# Altium PCB CPU.PcbDoc
Units mm, origin at the board's own origin, x right, y up, seen from the top; angles counter-clockwise.
Board outline 80 x 80 mm, 2 copper layers (Top Layer, Bottom Layer); 41 components, 69 nets, 198 pads, 97 vias.
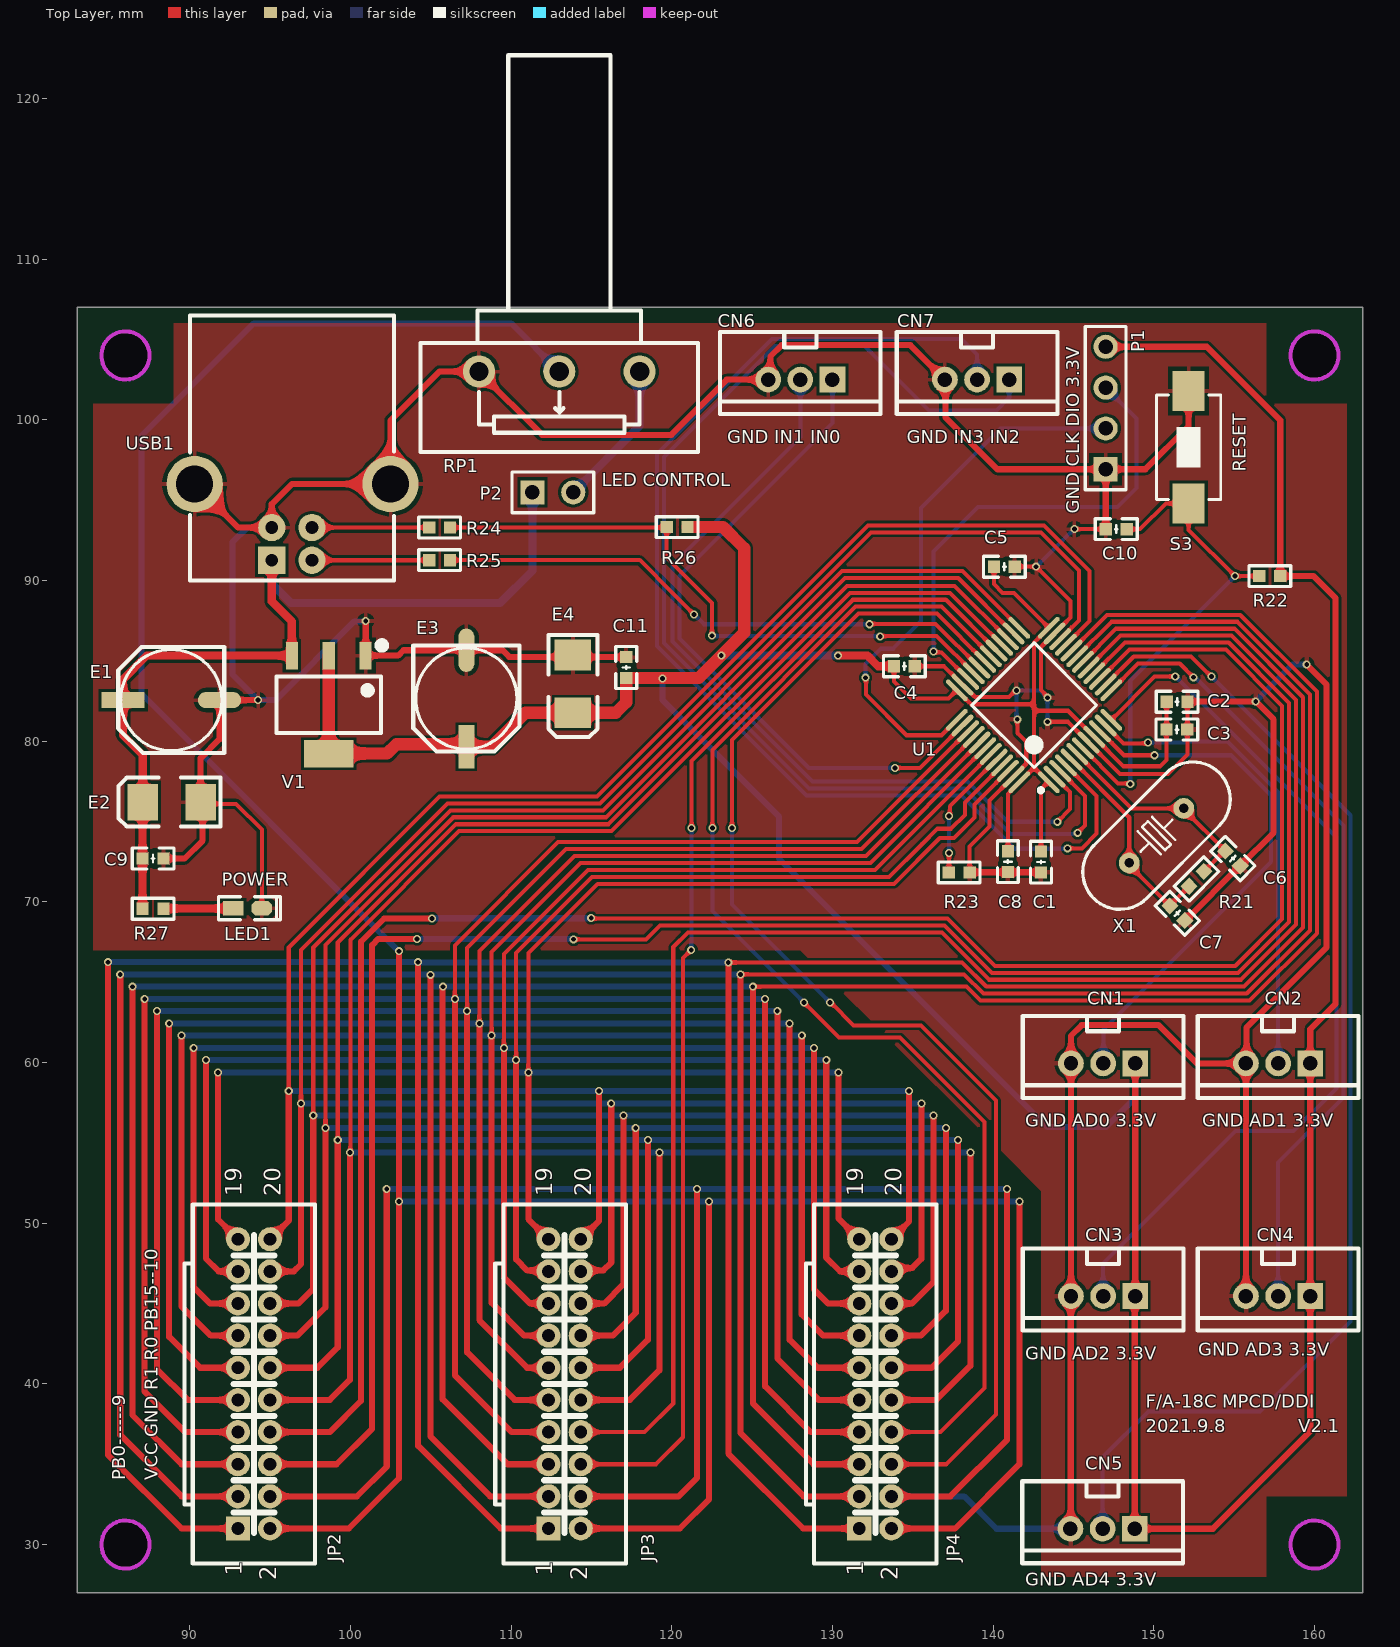
[diagram p0: Top Layer view]
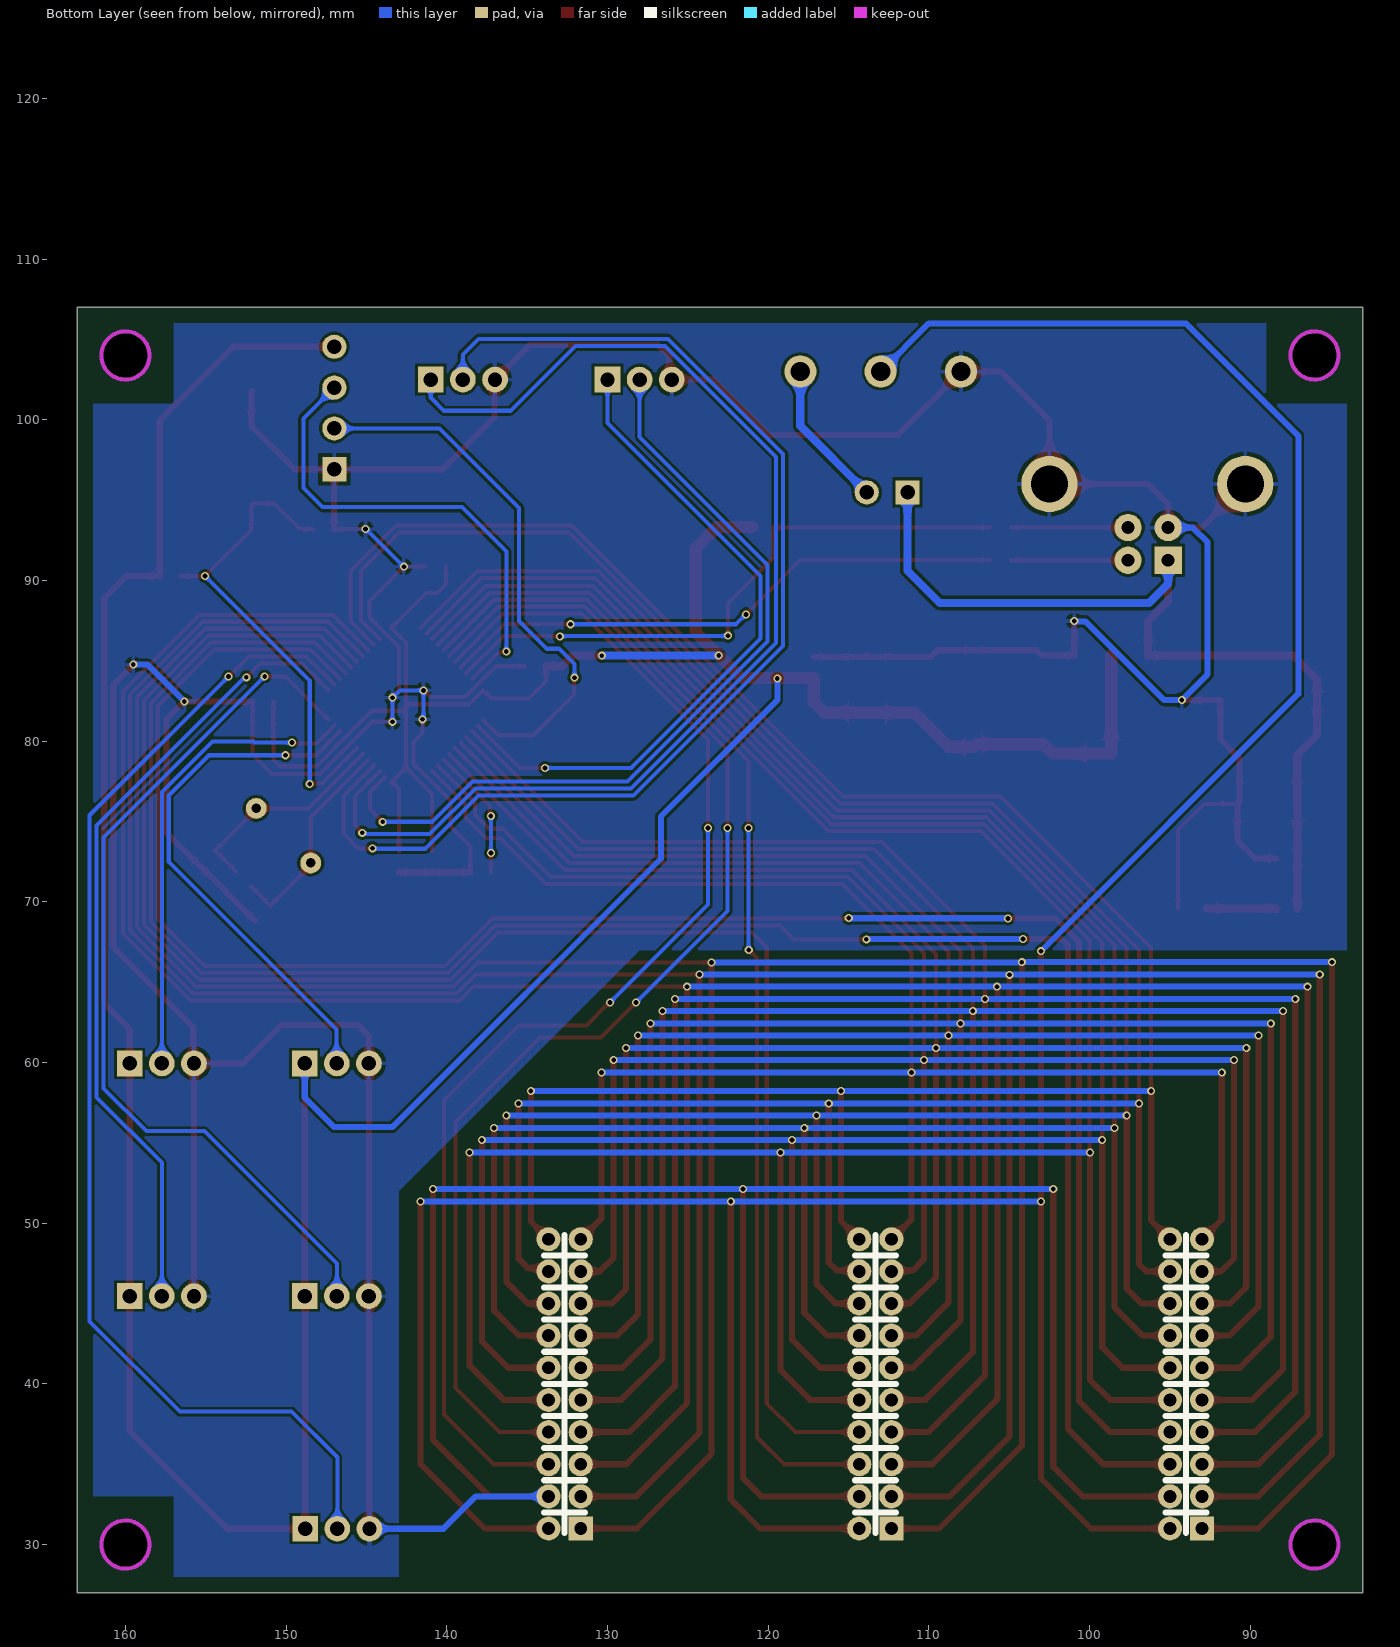
[diagram p1: Bottom Layer view, seen from below]
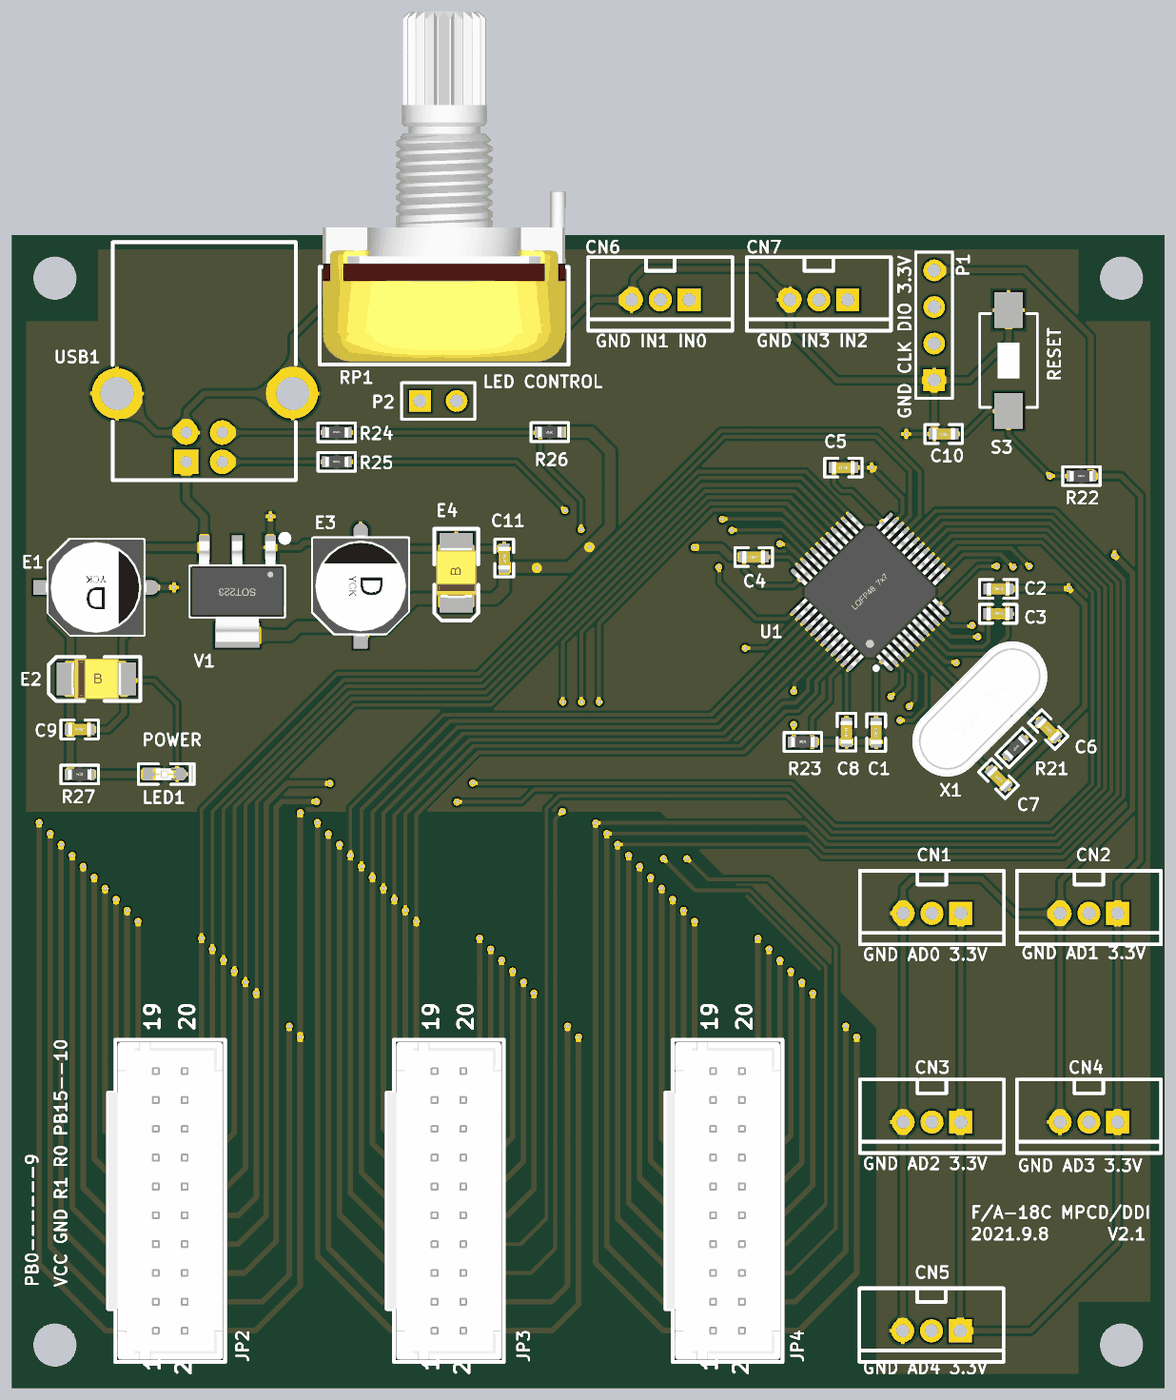
[diagram p2: 3D render of the assembled board from above, using the file's embedded part models]

## Layer stack, top to bottom
Top Solder: solder mask 0.0102, Solder Resist, Dk 3.5
Top Layer: signal copper 0.0356
Dielectric 1: dielectric 0.32, FR-4, Dk 4.8
Bottom Layer: signal copper 0.0356
Bottom Solder: solder mask 0.0102, Solder Resist, Dk 3.5

## Board outline
83,27 163,27 163,107 83,107
cut-out: 158.5,104 ccw(c160,104) 160,102.5 ccw(c160,104) 161.5,104 ccw(c160,104) 160,105.5 ccw(c160,104)
cut-out: 158.5,30 ccw(c160,30) 160,28.5 ccw(c160,30) 161.5,30 ccw(c160,30) 160,31.5 ccw(c160,30)
cut-out: 86,102.5 cw(c86,104) 84.5,104 cw(c86,104) 86,105.5 cw(c86,104) 87.5,104 cw(c86,104)
cut-out: 84.5,30 ccw(c86,30) 86,28.5 ccw(c86,30) 87.5,30 ccw(c86,30) 86,31.5 ccw(c86,30)

## Design rules (kind name [scope] priority, off if disabled: settings)
Clearance [All] p1: gap=0.178 ignorepadtopadclearanceinfootprint=FALSE
HoleToHoleClearance [All] p1: gap=0 allowstackedmicrovias=TRUE
MinimumSolderMaskSliver [All] p1: minsoldermaskwidth=0
PolygonConnect [All] p1: connectstyle=Relief reliefconductorwidth=0.254 reliefentries=4 polygonreliefangle="90 Angle" airgapwidth=0.254
RoutingVias [All] p1: holewidth=0.3 width=0.5 viastyle="Through Hole" minholewidth=0.3 minwidth=0.5 maxholewidth=1 maxwidth=2
SilkToSilkClearance [All] p1: silktosilkclearance=0
SilkToSolderMaskClearance [IsPad] p1: minsilkscreentomaskgap=0 clearancetoexposedcopper=TRUE
SolderMaskExpansion [All] p1: expansion=0.102 istentingtop=FALSE
UnRoutedNet [All] p1: checkbadconnections=TRUE
Width [All] p1: maxlimit=2.54 minlimit=0.178 preferedwidth=0.254
25 further rules are at their usual default settings.

## Components (designator, comment, footprint, x,y, rotation, side; value= is the part's Value field where it differs from the comment)
C1 "104" "C 0603_L" 142.977,72.477 r90 top
C2 "104" "C 0603_L" 151.45,82.448 r0 top
C3 "10uF" "C 0603_L" 151.435,80.721 r0 top
C4 "104" "C 0603_L" 134.478,84.658 r180 top
C5 "104" "C 0603_L" 140.701,90.856 r180 top
C6 "22" "C 0603_L" 154.917,72.692 r315 top
C7 "22" "C 0603_L" 151.463,69.289 r315 top
C8 "104" "C 0603_L" 140.919,72.502 r90 top
C9 "104" "C 0603_L" 87.717,72.695 r180 top
C10 "104" "C 0603_L" 147.66,93.193 r180 top
C11 "104" "C 0603_L" 117.17,84.582 r270 top
CN1 "HX20020-3A" CONN-TH_3P-P2.00_HX20020-3A 146.844,59.944 r180 top
CN2 "HX20020-3A" CONN-TH_3P-P2.00_HX20020-3A 157.734,59.944 r180 top
CN3 "HX20020-3A" CONN-TH_3P-P2.00_HX20020-3A 146.844,45.466 r180 top
CN4 "HX20020-3A" CONN-TH_3P-P2.00_HX20020-3A 157.734,45.466 r180 top
CN5 "HX20020-3A" CONN-TH_3P-P2.00_HX20020-3A 146.812,30.988 r180 top
CN6 "HX20020-3A" CONN-TH_3P-P2.00_HX20020-3A 128,102.5 r180 top
CN7 "HX20020-3A" CONN-TH_3P-P2.00_HX20020-3A 139,102.5 r180 top
E1 "220uF/10V" "CM D(6.3*5.4)" 88.852,82.55 r180 top
E2 "10uF/6.3V" "CD B(3528)" 88.878,76.2 r0 top
E3 "220uF/10V" "CM D(6.3*5.4)" 107.213,82.652 r270 top
E4 "10uF/6.3V" "CD B(3528)" 113.843,83.563 r90 top
JP2 "Header 2X10" PHB2.0-LI-2x10P 94,40 r90 top
JP3 "Header 2X10" PHB2.0-LI-2x10P 113.333,40 r90 top
JP4 "Header 2X10" PHB2.0-LI-2x10P 132.667,40 r90 top
LED1 "红色" "LED 0603W" 93.599,69.589 r0 top
P1 "Header 4" HDR1X4 147,96.92 r90 top
P2 "Header 2" HDR1X2 111.328,95.479 r0 top
R21 "1M" "R 0603_L" 152.656,71.427 r225 top
R22 "10K" "R 0603_L" 157.216,90.272 r0 top
R23 "10K" "R 0603_L" 137.886,71.831 r0 top
R24 "22R" "R 0603_L" 105.552,93.294 r0 top
R25 "22R" "R 0603_L" 105.552,91.262 r0 top
R26 "1.5K" "R 0603_L" 120.33,93.32 r180 top
R27 "10K" "R 0603_L" 87.717,69.571 r0 top
RP1 "10K" WH148-1-G15 113,103 r180 top
S3 "SW-PB" SW_PB2_A1 152.164,98.346 r180 top
U1 "STM32F103C8T6" LQFP48_N 142.545,82.245 r135 top
USB1 "USB" USB-B/S_A 96.359,93.29 r180 top
V1 "AMS1117-3V3" SOT223_L 98.654,82.271 r180 top
X1 "8MHz" "OSC HC-49S" 150.165,74.117 r225 top

## Footprints (in the part's own frame and the unit in brackets; to place one, negate y for a bottom-side part, rotate by r counter-clockwise, add the part's x,y. Pads: shape width x height; smd on the part's side, far side on the other; paste and mask are expansions set on the pad)
"C 0603_L" [mil] "无极性贴片电容                                       淘宝ID:黄晶宝石"
  rect 30x30 smd: 1(-25.59,0) 2(25.59,0)
  silkscreen extent -51,-26 51,26, body extent -31,-16 31,16, height 32
"CD B(3528)" [mil] "长3.5mm，宽2.8mm，厚1.9mm      淘宝ID:黄晶宝石"
  rect 75x90 smd: 1(-70.87,-0.01) 2(70.86,-0.01)
  silkscreen extent -130,-60 120,60, body extent -69,-55 69,55, height 75
"CM D(6.3*5.4)" [mm] "贴片电解电容，直径6.3mm，高5.4mm           淘宝ID:黄晶宝石"
  rect 2.7x1 smd: 1(3,0)
  oval 2.7x1 smd: 2(-3,0)
  silkscreen extent -3.3,-3.3 3.3,3.3, body extent -3.5,-3.3 3.5,3.3, height 5.4
CONN-TH_3P-P2.00_HX20020-3A [mm]
  rect 1.6x1.6 hole 0.9: 1(-2,0)
  round 1.6 hole 0.9: 2(0,0) 3(2,0)
  silkscreen extent -5,-2.95 5,2.15
HDR1X2 [mm] "Connector; Header; 2 Position"
  rect 1.5x1.5 hole 0.9: 1(0,0)
  round 1.5 hole 0.9: 2(2.54,0)
  silkscreen extent -1.27,-1.27 3.81,1.27
HDR1X4 [mm] "Connector; Header; 4 Position"
  rect 1.5x1.5 hole 0.9: 1(0,0)
  round 1.5 hole 0.9: 2(2.54,0) 3(5.08,0) 4(7.62,0)
  silkscreen extent -1.27,-1.27 8.89,1.27
"LED 0603W" [mil] "白色0603LED                                        淘宝ID:黄晶宝石"
  rect 50x35 smd: 1(-35,0.26)
  oct 50x35 smd: 2(35,0.26)
  silkscreen extent -71,-28 81,28, body extent -31,-16 32,16, height 18
LQFP48_N [mm] "封装库来自淘宝 ID：黄晶宝石 Thin QFP, 48-Leads, Body 7x7mm, Pitch 0.5mm, IPC Medium Density"
  oval 1.8x0.3 smd: 1(-4.05,2.75) 2(-4.05,2.25) 3(-4.05,1.75) 4(-4.05,1.25) 5(-4.05,0.75) 6(-4.05,0.25) 7(-4.05,-0.25) 8(-4.05,-0.75) 9(-4.05,-1.25) 10(-4.05,-1.75) 11(-4.05,-2.25) 12(-4.05,-2.75) 25(4.05,-2.75) 26(4.05,-2.25) 27(4.05,-1.75) 28(4.05,-1.25) 29(4.05,-0.75) 30(4.05,-0.25) 31(4.05,0.25) 32(4.05,0.75) 33(4.05,1.25) 34(4.05,1.75) 35(4.05,2.25) 36(4.05,2.75)
  oval 0.3x1.8 smd: 13(-2.75,-4.05) 14(-2.25,-4.05) 15(-1.75,-4.05) 16(-1.25,-4.05) 17(-0.75,-4.05) 18(-0.25,-4.05) 19(0.25,-4.05) 20(0.75,-4.05) 21(1.25,-4.05) 22(1.75,-4.05) 23(2.25,-4.05) 24(2.75,-4.05) 37(2.75,4.05) 38(2.25,4.05) 39(1.75,4.05) 40(1.25,4.05) 41(0.75,4.05) 42(0.25,4.05) 43(-0.25,4.05) 44(-0.75,4.05) 45(-1.25,4.05) 46(-1.75,4.05) 47(-2.25,4.05) 48(-2.75,4.05)
  silkscreen extent -4.17,-2.75 2.75,3.57, body extent -4.5,-4.5 4.5,4.5, height 1.45
"OSC HC-49S" [mm] "封装库来自淘宝卖家 ID：黄晶宝石"
  round 1.3 hole 0.6: 1(-2.4,0) 2(2.4,0)
  silkscreen extent -5.52,-2.32 5.52,2.33, body extent -5.52,-2.32 5.53,2.33, height 4.13
PHB2.0-LI-2x10P [mm] "长：22mm，宽：7.3mm，高：7.8mm"
  rect 1.5x1.5 hole 0.8: 1(-9,1)
  round 1.5 hole 0.8: 2(-9,-1) 3(-7,1) 4(-7,-1) 5(-5,1) 6(-5,-1) 7(-3,1) 8(-3,-1) 9(-1,1) 10(-1,-1) 11(1,1) 12(1,-1) 13(3,1) 14(3,-1) 15(5,1) 16(5,-1) 17(7,1) 18(7,-1) 19(9,1) 20(9,-1)
  silkscreen extent -11.18,-3.81 11.18,4.32, body extent -11,-3.65 11,4.25, height 7.83
"R 0603_L" [mil] "1/10W贴片电阻                 淘宝ID:黄晶宝石"
  rect 30x30 smd: 1(-25.59,0) 2(25.59,0)
  silkscreen extent -51,-26 51,26, body extent -31,-16 32,16, height 16
SOT223_L [mm] "6.4x7x1.6mm(长宽高)"
  rect 0.75x1.7 smd: 1(-2.3,-3.048) 2(0,-3.048) 3(2.3,-3.048)
  rect 3.1x1.7 smd: 2(0,3.048)
  silkscreen extent -3.5,-3.88 3.25,1.75, body extent -3.25,-3.51 3.25,3.51, height 1.65
SW_PB2_A1 [mm]
  rect 2x2.5 smd: 1(0,3.556) 2(0,-3.444)
  silkscreen extent -2,-3.19 2,3.31, body extent -1.93,-3.94 1.92,3.95, height 2.5
USB-B/S_A [mm] "b型USB 母座 16.3*13.7*11mm"
  rect 1.7x1.7 hole 0.8: 1(1.25,2.032)
  round 1.7 hole 0.8: 2(-1.25,2.032) 3(-1.25,0) 4(1.25,0)
  round 3.5 hole 2.3: 4(-6.141,-2.71) 4(6.051,-2.71)
  silkscreen extent -6.35,-13.21 6.35,3.3, body extent -6.86,-13.16 6.86,3.14, height 11.45
WH148-1-G15 [mm] "单联电位器，脚距：5mm，柄长：15mm"
  round 2 hole 1.2: 1(-5,0) 2(0,0) 3(5,0)
  silkscreen extent -8.64,-19.68 8.64,5, body extent -8.45,-19.5 8.45,4.8, height 20.95

## Part data
C1 C2 C3 C4 C5 C6 C7 C8 C9 C10 C11: library part C, "贴片电容", BOM名称=无极性贴片电容, 唯一出售店铺网址=https://shop463601444.taobao.com, 淘宝ID="封装库来自淘宝 ID：黄晶宝石", 联系售后，技术支持=https://shop463601444.taobao.com
CN1 CN2 CN3 CN4 CN5 CN6 CN7: BOM_JLCPCB Part Class="Extended Part", BOM_Manufacturer="HX(Zhejiang Yueqing Hongxing Elec)", BOM_Manufacturer Part=HX20020-3A, BOM_Supplier=LCSC, BOM_Supplier Part=C442245, Contributor=LCSC, spicePre=C, spiceSymbolName=HX20020-3A
E1 E3: library part CE_SMD, "贴片电解电容", BOM名称=贴片电解电容, 版权归属="封装库来自淘宝 ID：黄晶宝石", 联系售后=https://shop463601444.taobao.com
E2 E4: library part CT, "贴片钽电容", BOM名称=贴片钽电容, 淘宝ID="封装库来自淘宝 ID：黄晶宝石", 联系售后=https://shop463601444.taobao.com
JP2 JP3 JP4: library part "Header 10X2", "10*2P接插件", 封装库来自淘宝卖家 ID：黄晶宝石=其他店铺购入均为盗版，不享受售后技术支持服务，请立即申请退款
LED1: library part LED-SMD, "贴片LED", BOM名称=贴片LED, 学习资源=https://shop463601444.taobao.com, 版权归属="封装库来自淘宝 ID：黄晶宝石"
P1: "Header, 4-Pin", LatestRevisionDate=17-Jul-2002, LatestRevisionNote="Re-released for DXP Platform.", Publisher="Altium Limited"
P2: "Header, 2-Pin", LatestRevisionDate=17-Jul-2002, LatestRevisionNote="Re-released for DXP Platform.", Publisher="Altium Limited"
R21 R22 R23 R24 R25 R26 R27: library part R, "贴片电阻", BOM名称=贴片电阻, 封装库来自淘宝卖家 ID：黄晶宝石=其他店铺购入均为盗版，不享受售后技术支持服务，请立即申请退款, 版权归属="来自淘宝 ID：黄晶宝石", 联系售后=https://shop463601444.taobao.com
RP1: library part RP, "单联电位器", BOM名称=插件电位器, 版权归属="封装库来自淘宝 ID：黄晶宝石", 联系售后=https://shop463601444.taobao.com
S3: "微动开关", LatestRevisionDate=17-Jul-2002, LatestRevisionNote="Re-released for DXP Platform.", PackageReference=SPST-2, Published=24-Mar-1999, Publisher="Altium Limited"
U1: "STM32 ARM-based 32-bit MCU Performance Line with 64 kB Flash, 20 kB Internal RAM, -40 to +85癈 Temperature, 48-Pin LQFP, Tray", ComponentLink1Description="Manufacturer URL", ComponentLink1URL=http://www.st.com/, ComponentLink2Description="STM32F103 Datasheet", ComponentLink2URL=http://www.st.com/internet/com/TECHNICAL_RESOURCES/TECHNICAL_LITERATURE/DATASHEET/CD00161566.pdf, ComponentLink3Description="STM32 Family Web Page", ComponentLink3URL=www.st.com/stm32, DatasheetVersion="rev13.0, Apr-2011", PackageDescription="48-Pin Low-Profile Quad Flat Pack, 7 x 7 mm Body, 0.5 mm Pitch (LQFP48)", PackageReference=LQFP48, PackageVersion="rev13, Apr-2011", 联系售后=https://shop463601444.taobao.com
USB1: library part USB-B/S, "USB-B型母接口", BOM名称=USB-B型母接口, 学习资源=https://shop463601444.taobao.com, 版权归属="封装库来自淘宝 ID：黄晶宝石"
V1: library part AMS1117, "三端稳压芯片", BOM名称=稳压芯片, 欢迎光临淘宝店铺=https://shop463601444.taobao.com, 淘宝ID="封装库来自淘宝 ID：黄晶宝石"
X1: library part XTAL-2P, "2脚无源脚晶振", BOM名称=2脚无源脚晶振, 学习资源=https://shop463601444.taobao.com, 版权归属="封装库来自淘宝卖家 ID：黄晶宝石"

## Via types
v1: diameter 0.5, hole 0.3, Top Layer to Bottom Layer, 97 vias

## Nets (pads, with @x,y where several pads share a name; then routed paths per layer and width w, separated by ;. In a path a pad name is that pad's centre, name@x,y a point inside that pad or via, vN(x,y) a via of type N, cw(c..) or ccw(c..) an arc to the next point about the centre after c; other vN are vias at no path point)
+5: C9.2 E1.1 E2.1 P2.1 R27.1 USB1.1 V1.3 | length 56.3
  Top Layer w0.508: R27.1 C9.2 87.067,76.189 E2.1 87.078,79.14 85.852,80.366 E1.1 85.852,83.845 87.325,85.319 V1.3 96.354,87.441 95.109,88.686 USB1.1
  Bottom Layer w0.508: USB1.1 95.109,89.778 96.291,88.595 109.322,88.595 111.328,90.602 P2.1
AD0: CN1.2 U1.10 | length 33.3
  Top Layer w0.254: U1.10 148.144,79.121 v1(150.038,79.121)
  Bottom Layer w0.254: CN1.2 146.863,59.963 146.863,62.052 157.302,72.492 157.302,76.632 154.813,79.121 v1(150.038,79.121)
AD1: CN2.2 U1.11 | length 29.4
  Top Layer w0.254: U1.11 148.114,79.858 149.407,79.858 149.41,79.861 149.584,79.861 v1(149.631,79.908)
  Bottom Layer w0.254: v1(149.631,79.908) 151.989,79.908 152.065,79.985 154.583,79.985 157.734,76.834 CN2.2
AD2: CN3.2 U1.12 | length 56
  Top Layer w0.254: U1.12 150.05,84.023 v1(151.333,84.023)
  Bottom Layer w0.254: CN3.2 146.844,47.479 155.092,55.728 158.699,55.728 161.366,58.395 161.366,74.016 151.359,84.023 v1(151.333,84.023)
AD3: CN4.2 U1.13 | length 50.3
  Top Layer w0.254: U1.13 149.025,84.836 151.613,84.836 v1(152.476,83.972)
  Bottom Layer w0.254: v1(152.476,83.972) 152.543,83.972 152.666,83.849 152.701,83.849 161.798,74.752 161.798,57.836 157.734,53.772 CN4.2
AD4: CN5.2 U1.14 | length 74.9
  Top Layer w0.254: U1.14 148.749,85.268 152.324,85.268 153.568,84.023 v1(153.594,84.023)
  Bottom Layer w0.254: CN5.2 146.812,35.433 149.657,38.278 156.616,38.278 162.23,43.891 162.23,75.387 v1(153.594,84.023)
BOOT0: R23.1 U1.44 | length 8.3
  Top Layer w0.254: R23.1 137.252,71.847 v1(137.252,73.034) ; v1(137.262,75.336) 137.309,75.383 137.309,75.948 U1.44
  Bottom Layer w0.254: v1(137.252,73.034) 137.257,73.039 137.257,75.332 v1(137.262,75.336)
GND: C1.1 C2.2 C3.2 C4.1 C5.1 C6.2 C7.2 C8.1 C9.1 C10.2 C11.1 CN1.3 CN2.3 CN3.3 CN4.3 CN5.3 CN6.3 CN7.3 E1.2 E2.2 E3.2 E4.2 JP2.4 JP3.4 JP4.4 LED1.2 P1.1 R23.2 RP1.3 S3.2 U1.8 U1.23 U1.35 U1.47 USB1.4 V1.1 | length 445.7
  Top Layer w0.254: E2.2@90.805,76.073 90.83,76.098 92.888,76.098 94.488,74.498 LED1.2 ; C4.1 136.95,84.658 U1.35 138.102,83.518 138.867,82.753 140.98,82.753 141.386,83.16 v1(141.453,83.16) ; R23.2 138.536,73.453 139.776,74.693 139.776,76.295 U1.47 141.272,77.803 142.062,78.593 142.062,79.934 141.503,80.493 v1(141.503,81.356) ; C5.1 v1(142.672,90.856) 144.805,88.722 144.805,87.688 U1.23 142.977,85.859 142.977,83.175 143.383,82.769 v1(143.383,82.702) ; v1(143.383,81.204) 144.647,81.204 U1.8 147.898,77.953 150.876,77.953 152.085,79.161 C3.2 152.085,82.433 C2.2 ; v1(145.059,93.193) C10.2
  Top Layer w0.381: C9.1 89.687,72.695 90.805,73.812 90.805,76.073 E2.2 90.678,78.943 91.852,80.117 E1.2 v1(94.259,82.55) ; USB1.4@90.308,96 93.018,93.29 95.109,93.29 95.109,94.753 96.356,96 102.5,96 102.5,99.96 105.54,103 RP1.3 111.94,99.06 119.968,99.06 123.408,102.5 CN6.3 126.136,102.636 126.136,103.937 126.848,104.648 134.852,104.648 CN7.3 137.033,102.467 137.033,100.152 140.265,96.92 P1.1 ; JP2.4 100.412,33 102.26,34.849 v1(102.26,52.121) ; v1(100.954,87.475) V1.1 102.972,85.319 103.305,85.652 E3.2 109.471,85.652 109.88,85.242 113.723,85.242 E4.2 113.973,85.232 C11.1 ; USB1.4@102.246,95.492 USB1.4@102.477,95.261 ; JP3.4 120.427,33 121.564,34.138 v1(121.564,52.121) ; JP4.4 137.343,33 140.868,36.525 v1(140.868,52.121) ; R23.2 138.547,71.842 140.909,71.842 C8.1 140.932,71.839 142.964,71.839 C1.1 ; CN5.3 144.828,31.004 144.828,45.45 CN3.3 CN1.3 144.844,61.659 145.517,62.332 150.292,62.332 152.679,59.944 CN2.3 ; C10.2 147.011,96.909 P1.1 ; C7.2 151.948,68.829 155.351,72.233 C6.2 157.455,74.311 157.455,81.356 v1(156.337,82.474) 156.324,82.461 152.113,82.461 C2.2 ; S3.2 152.164,99.611 149.473,96.92 P1.1 ; CN4.3 CN2.3 ; v1(159.512,84.76) 160.757,83.515 160.757,67.158 155.778,62.179 155.778,59.988 CN2.3
  Bottom Layer w0.254: v1(141.503,81.356) 141.456,81.403 141.456,81.577 141.453,81.581 v1(141.453,83.16) 142.926,83.16 v1(143.383,82.702) v1(143.383,81.204) ; v1(142.672,90.856) 142.697,90.856 145.034,93.193 v1(145.059,93.193)
  Bottom Layer w0.381: USB1.4@95.109,93.29 93.569,93.29 92.659,92.38 92.659,84.15 v1(94.259,82.55) 95.352,82.55 100.254,87.453 100.931,87.453 v1(100.954,87.475) ; v1(102.26,52.121) v1(121.564,52.121) v1(140.868,52.121) ; JP4.4 138.196,33 140.208,30.988 CN5.3 ; v1(156.337,82.474) 158.623,84.76 v1(159.512,84.76)
IN0: CN6.1 U1.38 | length 42.1
  Top Layer w0.254: v1(133.883,78.334) 135.451,78.334 U1.38
  Bottom Layer w0.254: CN6.1 130,99.799 120.472,90.272 120.472,86.385 128.524,78.334 v1(133.883,78.334)
IN1: CN6.2 U1.2 | length 51.7
  Top Layer w0.254: U1.2 144.78,76.828 144.78,75.77 v1(143.991,74.981)
  Bottom Layer w0.254: CN6.2 128,98.917 120.04,90.957 120.04,86.207 128.752,77.495 138.406,77.495 140.92,74.981 v1(143.991,74.981)
IN2: CN7.1 U1.3 | length 74.5
  Top Layer w0.254: U1.3 145.72,76.595 145.72,74.752 v1(145.263,74.295)
  Bottom Layer w0.254: CN7.1 141,101.376 140.183,100.559 136.042,100.559 132.004,104.597 126.417,104.597 119.507,97.687 119.507,86.106 128.549,77.064 138.227,77.064 141.068,74.223 145.016,74.223 145.042,74.248 145.216,74.248 v1(145.263,74.295)
IN3: CN7.2 U1.4 | length 74.8
  Top Layer w0.254: U1.4 146.431,76.591 146.431,74.244 145.517,73.33 v1(144.628,73.33)
  Bottom Layer w0.254: CN7.2 139,104.053 138.024,105.029 126.238,105.029 119.075,97.866 119.075,85.927 128.396,76.606 138.024,76.606 141.326,73.304 144.602,73.304 v1(144.628,73.33)
NetC6_1: C6.1 R21.1 U1.6 X1.1 | length 13.6
  Top Layer w0.254: U1.6 148.622,75.814 X1.1 151.862,75.748 C6.1 154.381,73.152 R21.1
NetC7_1: C7.1 R21.2 U1.5 X1.2 | length 13.4
  Top Layer w0.254: U1.5 148.468,75.262 148.468,72.284 C7.1 151.003,69.774 R21.2
NetLED1_1: LED1.1 R27.2 | length 4.4
  Top Layer w0.508: R27.2 88.379,69.583 92.697,69.583 LED1.1
NetP2_2: P2.2 RP1.1 | length 9.2
  Bottom Layer w0.508: P2.2 118,99.61 RP1.1
NetR1_1: 
NetR2_1: 
NetR3_1: 
NetR4_1: 
NetR5_1: 
NetR6_1: 
NetR7_1: 
NetR8_1: 
NetR9_1: 
NetR10_1: 
NetR11_1: 
NetR12_1: 
NetR13_1: 
NetR14_1: 
NetR15_1: 
NetR16_1: 
NetR17_1: 
NetR18_1: 
NetR19_1: 
NetR20_1: 
PA5: JP2.8 U1.15 | length 122.2
  Top Layer w0.254: v1(114.986,68.986) 115.015,68.957 137.164,68.957 140.106,66.015 155.067,66.015 157.988,68.936 157.988,82.194 154.483,85.7 148.474,85.7 U1.15
  Top Layer w0.381: JP2.8 98.722,37 100.66,38.938 100.66,67.513 102.108,68.961 v1(105.08,68.961)
  Bottom Layer w0.381: v1(105.08,68.961) 105.093,68.974 114.973,68.974 v1(114.986,68.986)
PA6: JP2.6 U1.16 | length 125.6
  Top Layer w0.254: v1(113.894,67.666) 118.4,67.666 119.26,68.525 136.985,68.525 139.928,65.583 155.246,65.583 158.42,68.757 158.42,82.373 154.662,86.131 153.975,86.131 148.199,86.131 U1.16
  Top Layer w0.381: JP2.6 99.135,35 101.346,37.211 101.346,67.31 101.727,67.691 v1(104.14,67.691)
  Bottom Layer w0.381: v1(104.14,67.691) 104.153,67.678 113.881,67.678 v1(113.894,67.666)
PA7: JP3.8 U1.17 | length 106
  Top Layer w0.254: JP3.8 118.305,37 120.091,38.786 120.091,67.183 121.002,68.093 136.806,68.093 139.749,65.151 155.425,65.151 158.852,68.578 158.852,82.552 154.841,86.563 154.154,86.563 147.923,86.563 U1.17
PA8: JP3.6 U1.29 | length 73.8
  Top Layer w0.254: JP3.6 119.023,35 120.701,36.678 120.701,66.497 v1(121.209,67.005) ; v1(121.234,74.6) 121.234,78.768 131.265,88.798 137.052,88.798 U1.29
  Bottom Layer w0.254: v1(121.209,67.005) 121.221,67.018 121.221,72.936 121.234,72.949 v1(121.234,74.6)
PA9: JP4.8 U1.30 | length 78.2
  Top Layer w0.254: v1(122.53,74.6) 122.53,79.452 131.444,88.367 136.777,88.367 U1.30 ; v1(128.219,63.729) 130.404,61.544 134.214,61.544 139.471,56.286 139.471,39.751 136.72,37 JP4.8
  Bottom Layer w0.254: v1(122.53,74.6) 122.53,69.418 v1(128.219,63.729)
PA10: JP4.6 U1.31 | length 79.3
  Top Layer w0.254: v1(123.749,74.6) 123.749,80.061 131.623,87.935 136.502,87.935 U1.31 ; v1(129.845,63.729) 129.896,63.729 131.318,62.306 135.509,62.306 140.183,57.633 140.183,38.1 137.083,35 JP4.6
  Bottom Layer w0.254: v1(123.749,74.6) 123.749,69.825 v1(129.845,63.729)
PA11: R25.2 U1.32 | length 35.7
  Top Layer w0.254: R25.2 118.009,91.262 120.114,89.157 v1(121.383,87.888) ; v1(132.309,87.274) 132.334,87.3 136.423,87.3 139.145,84.579 U1.32
  Bottom Layer w0.254: v1(121.383,87.888) 121.996,87.274 v1(132.309,87.274)
PA12: R24.2 R26.2 U1.33 | length 38.6
  Top Layer w0.254: R24.2 119.55,93.294 119.575,93.32 R26.2@119.629,93.32 ; R26.2 119.68,91.42 122.504,88.596 v1(122.504,86.563) ; v1(132.969,86.512) 132.994,86.538 136.484,86.538 U1.33
  Bottom Layer w0.254: v1(122.504,86.563) 122.53,86.538 132.944,86.538 v1(132.969,86.512)
PB0: JP2.1 JP3.1 JP4.1 U1.18 | length 228.8
  Top Layer w0.254: v1(123.52,66.222) 138.067,66.222 139.57,64.719 155.604,64.719 159.283,68.399 159.283,82.731 155.019,86.995 154.333,86.995 147.648,86.995 U1.18
  Top Layer w0.381: v1(84.912,66.243) 84.912,35.588 89.5,31 JP2.1 ; v1(104.216,66.243) 104.216,36.144 109.36,31 JP3.1 ; v1(123.52,66.222) 123.52,35.662 128.182,31 JP4.1
  Bottom Layer w0.381: v1(84.912,66.243) v1(104.216,66.243) 104.227,66.233 123.509,66.233 v1(123.52,66.222)
PB1: JP2.3 JP3.3 JP4.3 U1.19 | length 220.9
  Top Layer w0.254: v1(124.282,65.481) 138.197,65.481 139.391,64.287 155.782,64.287 159.715,68.22 159.715,82.91 155.198,87.427 154.511,87.427 147.373,87.427 U1.19
  Top Layer w0.381: v1(85.674,65.481) 85.674,36.826 89.5,33 JP2.3 ; v1(104.978,65.456) 104.978,36.728 108.707,33 JP3.3 ; v1(124.282,65.481) 124.282,36.932 128.214,33 JP4.3
  Bottom Layer w0.381: v1(85.674,65.481) 104.921,65.481 104.946,65.456 v1(104.978,65.456) 104.991,65.468 124.269,65.468 v1(124.282,65.481)
PB2: JP2.5 JP3.5 JP4.5 U1.20 | length 211.6
  Top Layer w0.254: v1(125.044,64.719) 138.349,64.719 139.212,63.856 155.961,63.856 160.147,68.041 160.147,83.089 155.377,87.859 154.69,87.859 147.098,87.859 U1.20
  Top Layer w0.381: v1(86.436,64.719) 86.436,38.064 89.5,35 JP2.5 ; v1(105.755,64.719) 105.74,64.705 105.74,39.04 109.78,35 JP3.5 ; v1(125.044,64.719) 125.044,38.786 128.83,35 JP4.5
  Bottom Layer w0.381: v1(86.436,64.719) v1(105.755,64.719) v1(125.044,64.719)
PB3: JP2.7 JP3.7 JP4.7 U1.39 | length 172.5
  Top Layer w0.254: v1(106.502,63.957) 106.502,67.285 112.928,73.711 131.536,73.711 U1.39
  Top Layer w0.381: v1(87.198,63.957) 87.198,39.522 89.721,37 JP2.7 ; v1(106.502,63.957) 106.502,40.538 110.041,37 JP3.7 ; v1(125.806,63.957) 125.806,39.853 128.659,37 JP4.7
  Bottom Layer w0.381: v1(87.198,63.957) v1(106.502,63.957) v1(125.806,63.957)
PB4: JP2.9 JP3.9 JP4.9 U1.40 | length 162.9
  Top Layer w0.254: v1(107.264,63.195) 107.264,67.132 113.411,73.279 131.811,73.279 U1.40
  Top Layer w0.381: v1(87.96,63.195) 87.96,40.919 89.88,39 JP2.9 ; v1(107.264,63.195) 107.264,41.961 110.225,39 JP3.9 ; v1(126.568,63.195) 126.568,41.58 129.148,39 JP4.9
  Bottom Layer w0.381: v1(87.96,63.195) v1(107.264,63.195) v1(126.568,63.195)
PB5: JP2.11 JP3.11 JP4.11 U1.41 | length 152.9
  Top Layer w0.254: v1(108.026,62.433) 108.026,66.929 113.944,72.847 132.086,72.847 U1.41
  Top Layer w0.381: v1(88.722,62.433) 88.722,42.926 90.648,41 JP2.11 ; v1(108.026,62.433) 108.026,43.967 110.994,41 JP3.11 ; v1(127.33,62.433) 127.33,42.748 129.078,41 JP4.11
  Bottom Layer w0.381: v1(88.722,62.433) v1(108.026,62.433) v1(127.33,62.433)
PB6: JP2.13 JP3.13 JP4.13 U1.42 | length 143.4
  Top Layer w0.254: v1(108.788,61.671) 108.788,66.878 114.325,72.415 132.359,72.415 139.502,79.558 U1.42
  Top Layer w0.381: v1(89.484,61.671) 89.484,44.831 91.315,43 JP2.13 ; v1(108.788,61.671) 108.788,45.034 110.822,43 JP3.13 ; v1(128.092,61.671) 128.092,44.323 129.415,43 JP4.13
  Bottom Layer w0.381: v1(89.484,61.671) v1(108.788,61.671) v1(128.092,61.671)
PB7: JP2.15 JP3.15 JP4.15 U1.43 | length 133.9
  Top Layer w0.254: v1(109.55,60.909) 109.55,66.751 114.783,71.984 132.637,71.984 U1.43
  Top Layer w0.381: v1(90.246,60.909) 90.246,46.025 91.271,45 JP2.15 ; v1(109.55,60.909) 109.55,46.634 111.176,45.009 112.325,45.009 JP3.15 ; v1(128.854,60.909) 128.854,45.872 129.727,45 JP4.15
  Bottom Layer w0.381: v1(90.246,60.909) v1(109.55,60.909) v1(128.854,60.909)
PB8: JP2.17 JP3.17 JP4.17 U1.45 | length 124.9
  Top Layer w0.254: v1(110.312,60.147) 110.312,66.827 115.037,71.552 133.528,71.552 135.557,73.581 136.525,74.549 137.389,74.549 138.252,75.413 138.252,76.185 U1.45
  Top Layer w0.381: v1(91.008,60.147) 91.008,47.803 91.811,47 JP2.17 ; v1(110.312,60.147) 110.312,47.752 111.012,47.052 112.281,47.052 JP3.17 ; v1(129.616,60.147) 129.616,47.854 130.47,47 JP4.17
  Bottom Layer w0.381: v1(91.008,60.147) v1(110.312,60.147) v1(129.616,60.147)
PB9: JP2.19 JP3.19 JP4.19 U1.46 | length 113.8
  Top Layer w0.254: v1(111.074,59.385) 111.074,66.802 115.392,71.12 133.833,71.12 136.677,73.965 137.566,73.965 138.836,75.235 138.836,76.062 U1.46
  Top Layer w0.381: v1(91.77,59.385) 91.77,50.23 JP2.19 ; v1(111.074,59.385) 111.074,50.259 JP3.19 ; v1(130.378,59.385) 130.378,50.288 JP4.19
  Bottom Layer w0.381: v1(91.77,59.385) v1(111.074,59.385) v1(130.378,59.385)
PB10: JP2.20 JP3.20 JP4.20 U1.21 | length 143.7
  Top Layer w0.254: v1(96.164,58.217) 96.164,67.164 105.556,76.556 115.358,76.556 132.224,93.421 143.155,93.421 145.999,90.577 145.999,87.467 U1.21
  Top Layer w0.381: JP2.20 96.164,50.164 v1(96.164,58.217) ; JP3.20 115.468,50.135 v1(115.468,58.217) ; JP4.20 134.772,50.106 v1(134.772,58.217)
  Bottom Layer w0.381: v1(96.164,58.217) v1(115.468,58.217) v1(134.772,58.217)
PB11: JP2.18 JP3.18 JP4.18 U1.22 | length 149.1
  Top Layer w0.254: v1(96.926,57.455) 96.926,67.007 106.044,76.124 115.537,76.124 132.403,92.989 142.977,92.989 145.339,90.627 145.339,87.514 U1.22
  Top Layer w0.381: JP2.18 96.473,47 96.926,47.453 v1(96.926,57.455) ; JP3.18 114.4,47.066 115.748,47.066 116.23,47.549 v1(116.23,57.455) ; JP4.18 133.881,47.214 134.971,47.214 135.534,47.777 v1(135.534,57.455)
  Bottom Layer w0.381: v1(96.926,57.455) v1(116.23,57.455) v1(135.534,57.455)
PB12: JP2.16 JP3.16 JP4.16 U1.25 | length 145.2
  Top Layer w0.254: v1(97.688,56.693) 97.688,67.158 106.222,75.692 115.716,75.692 130.6,90.576 138.103,90.576 U1.25
  Top Layer w0.381: JP2.16 96.765,45 97.688,45.923 v1(97.688,56.693) ; JP3.16 115.79,45 116.992,46.203 v1(116.992,56.693) ; JP4.16 134.941,45 136.296,46.355 v1(136.296,56.693)
  Bottom Layer w0.381: v1(97.688,56.693) v1(116.992,56.693) v1(136.296,56.693)
PB13: JP2.14 JP3.14 JP4.14 U1.26 | length 150
  Top Layer w0.254: v1(98.45,55.931) 98.45,67.309 106.401,75.26 115.895,75.26 130.779,90.145 137.827,90.145 U1.26
  Top Layer w0.381: JP2.14 96.696,43 98.45,44.755 v1(98.45,55.931) ; JP3.14 116.33,43 117.754,44.425 v1(117.754,55.931) ; JP4.14 135.507,43 137.058,44.552 v1(137.058,55.931)
  Bottom Layer w0.381: v1(98.45,55.931) v1(117.754,55.931) v1(137.058,55.931)
PB14: JP2.12 JP3.12 JP4.12 U1.27 | length 155.5
  Top Layer w0.254: v1(99.212,55.169) 99.212,67.461 106.58,74.828 116.074,74.828 130.907,89.662 137.603,89.662 U1.27
  Top Layer w0.381: JP2.12 97.947,41 99.212,42.266 v1(99.212,55.169) ; JP3.12 116.768,41 118.516,42.748 v1(118.516,55.169) ; JP4.12 136.174,41 137.82,42.647 v1(137.82,55.169)
  Bottom Layer w0.381: v1(99.212,55.169) v1(118.516,55.169) v1(137.82,55.169)
PB15: JP2.10 JP3.10 JP4.10 U1.28 | length 160.6
  Top Layer w0.254: v1(99.974,54.407) 100,54.432 100,67.638 106.759,74.397 116.253,74.397 131.086,89.23 137.328,89.23 U1.28
  Top Layer w0.381: JP2.10 98.715,39 99.974,40.259 v1(99.974,54.407) ; JP3.10 117.384,39 119.232,40.847 v1(119.232,54.407) ; JP4.10 136.46,39 138.582,41.123 v1(138.582,54.407)
  Bottom Layer w0.381: v1(99.974,54.407) 119.278,54.407 v1(138.582,54.407)
RESET: C10.1 R22.1 S3.1 U1.7 | length 31.3
  Top Layer w0.254: U1.7 147.774,77.37 148.487,77.37 v1(148.532,77.325) ; C10.1 149.149,93.193 150.746,94.79 S3.1 152.164,93.149 v1(155.042,90.272) R22.1
  Bottom Layer w0.254: v1(148.532,77.325) 148.532,83.762 v1(155.042,90.272)
ROW0: 
ROW1: 
SWCLK: P1.2 U1.37 | length 34.3
  Top Layer w0.254: v1(132.055,83.947) 132.094,83.907 132.094,82.891 134.62,80.366 136.776,80.366 U1.37
  Bottom Layer w0.254: v1(132.055,83.947) 132.055,84.785 133.02,85.75 133.782,85.75 135.5,87.469 135.5,94.5 140.46,99.46 P1.2 P1.2@146.876,99.336
SWDIO: P1.3 U1.34 | length 30.4
  Top Layer w0.254: v1(136.296,85.573) 136.343,85.526 136.79,85.526 U1.34
  Bottom Layer w0.254: v1(136.296,85.573) 136.296,91.796 139.065,94.564 147.726,94.564 148.92,95.758 148.92,100.08 P1.3
USB_D+: R24.1 USB1.3 | length 7.3
  Top Layer w0.254: USB1.3 104.898,93.29 R24.1
USB_D-: R25.1 USB1.2 | length 7.3
  Top Layer w0.254: USB1.2 104.898,91.258 R25.1
VCC: JP2.2 JP3.2 JP4.2 RP1.2 | length 202.9
  Top Layer w0.381: JP2.2 99.91,31 103.022,34.112 v1(103.022,51.359) v1(103.022,66.929) ; JP3.2 120.51,31 122.326,32.817 v1(122.326,51.359) ; JP4.2 137.629,31 141.63,35.001 v1(141.63,51.359)
  Bottom Layer w0.381: v1(103.022,51.359) v1(122.326,51.359) v1(141.63,51.359) ; v1(103.022,66.929) 87,82.951 87,99 94,106 110,106 RP1.2
VCC3.3: C1.2 C2.1 C3.1 C4.2 C5.2 C8.2 C11.2 CN1.1 CN2.1 CN3.1 CN4.1 CN5.1 E3.1 E4.1 P1.4 R22.2 R26.1 U1.1 U1.9 U1.24 U1.36 U1.48 V1.2 | length 274.5
  Top Layer w0.254: C4.2 133.828,83.723 134.899,82.652 137.224,82.652 U1.36 137.749,83.164 138.617,82.296 142.545,82.296 ; C5.2 140.051,89.768 140.589,89.23 141.287,89.23 U1.24 142.545,86.134 142.545,82.296 ; C8.2 140.919,76.718 141.626,77.424 U1.48 142.545,78.356 ; C1.2 142.977,77.013 143.417,77.454 143.447,77.454 U1.1 ; U1.1@143.432,77.469 142.545,78.356 ; C2.1 150.8,80.736 C3.1 150.785,78.827 150.393,78.435 148.123,78.435 U1.9 144.668,81.89 142.545,81.89 ; 142.545,78.356 142.545,81.89 ; 142.545,81.89 142.545,82.296
  Top Layer w0.381: P1.4 153.295,104.54 157.866,99.97 R22.2 159.944,90.272 161.315,88.9 161.315,63.652 159.734,62.071 CN2.1 CN4.1 159.734,37.052 153.67,30.988 CN5.1 148.812,45.434 CN3.1 CN1.1
  Top Layer w0.508: E3.1@107.058,79.807 E3.1 ; v1(130.353,85.319) 132.182,85.319 132.842,84.658 C4.2
  Top Layer w0.762: V1.2@98.654,85.319 98.654,79.223 102.286,79.223 102.87,79.807 E3.1@107.058,79.807 ; E3.1 108.785,79.652 110.896,81.763 E4.1 116.51,81.763 117.17,82.423 C11.2 121.676,83.932 v1(123.081,85.337) 124.511,86.766 124.511,91.999 123.19,93.32 R26.1
  Bottom Layer w0.381: v1(119.431,83.896) 119.431,82.55 126.67,75.311 126.67,72.695 143.383,55.982 147.015,55.982 148.844,57.81 CN1.1
  Bottom Layer w0.508: v1(123.081,85.337) 130.335,85.337 v1(130.353,85.319)

## Polygon pours and split planes (outlines as drawn)
GND on Top Layer "GND_L01_P000" (solid, pour order 0): 89,106 89,101 84,101 84,67 128,67 143,52 143,28 157,28 157,33 162,33 162,101 157,101 157,106
GND on Bottom Layer "GND_L02_P001" (solid, pour order 1): 84,101 89,101 89,106 157,106 157,101 162,101 162,33 157,33 157,28 143,28 143,52 128,67 84,67

## Keep-outs
Keep-Out Layer:
  circle w0.254: c160,104 r1.5
  circle w0.254: c86,104 r1.5
  circle w0.254: c160,30 r1.5
  circle w0.254: c86,30 r1.5

## Silkscreen, mask and mechanical layers (free items; w line width, h text height)
Top Overlay:
  text "GND IN1 IN0" at 123.444,98.552 h0.81
  text "GND IN3 IN2" at 134.62,98.552 h0.81
  text "RESET" at 155.727,96.774 h0.81 r90
  text "LED CONTROL" at 115.646,95.86 h0.81
  text "GND CLK DIO 3.3V" at 145.348,94.152 h0.81 r90
  text "POWER" at 92,71 h0.81
  text "GND AD0 3.3V" at 142,56 h0.81
  text "GND AD1 3.3V" at 153,56 h0.81
  text "GND AD3 3.3V" at 152.75,41.75 h0.81
  text "GND AD2 3.3V" at 142,41.5 h0.81
  text "F/A-18C MPCD/DDI" at 149.5,38.5 h0.81
  text "2021.9.8" at 149.5,37 h0.81
  text "V2.1" at 159,37 h0.81
  text "PB0------9" at 86,34 h0.81 r90
  text "VCC GND R1 R0 PB15--10" at 88,34 h0.81 r90
  text "GND AD4 3.3V" at 142,27.432 h0.81
Mechanical 1:
  circle w0.254: c86,30 r1.5
  circle w0.254: c160,30 r1.5
  circle w0.254: c160,104 r1.5
  circle w0.254: c86,104 r1.5
  lines w0.254: 83,27 83,107 163,107 163,27 83,27

## Text inside footprints (layer, text, board x,y; h text height)
JP2: Top Overlay "20" at 95.651,51.684 h1.02 r90; Top Overlay "19" at 93.238,51.684 h1.02 r90; Top Overlay "1" at 93.238,28.062 h1.02 r90; Top Overlay "2" at 95.397,27.793 h1.02 r90
JP3: Top Overlay "20" at 114.984,51.684 h1.02 r90; Top Overlay "19" at 112.571,51.684 h1.02 r90; Top Overlay "1" at 112.571,28.062 h1.02 r90; Top Overlay "2" at 114.73,27.793 h1.02 r90
JP4: Top Overlay "20" at 134.318,51.684 h1.02 r90; Top Overlay "19" at 131.905,51.684 h1.02 r90; Top Overlay "1" at 131.905,28.062 h1.02 r90; Top Overlay "2" at 134.064,27.793 h1.02 r90